# Altium PCB Radxa_E25_V1.4_20220119.PcbDoc (part 1 of 5) (continued)
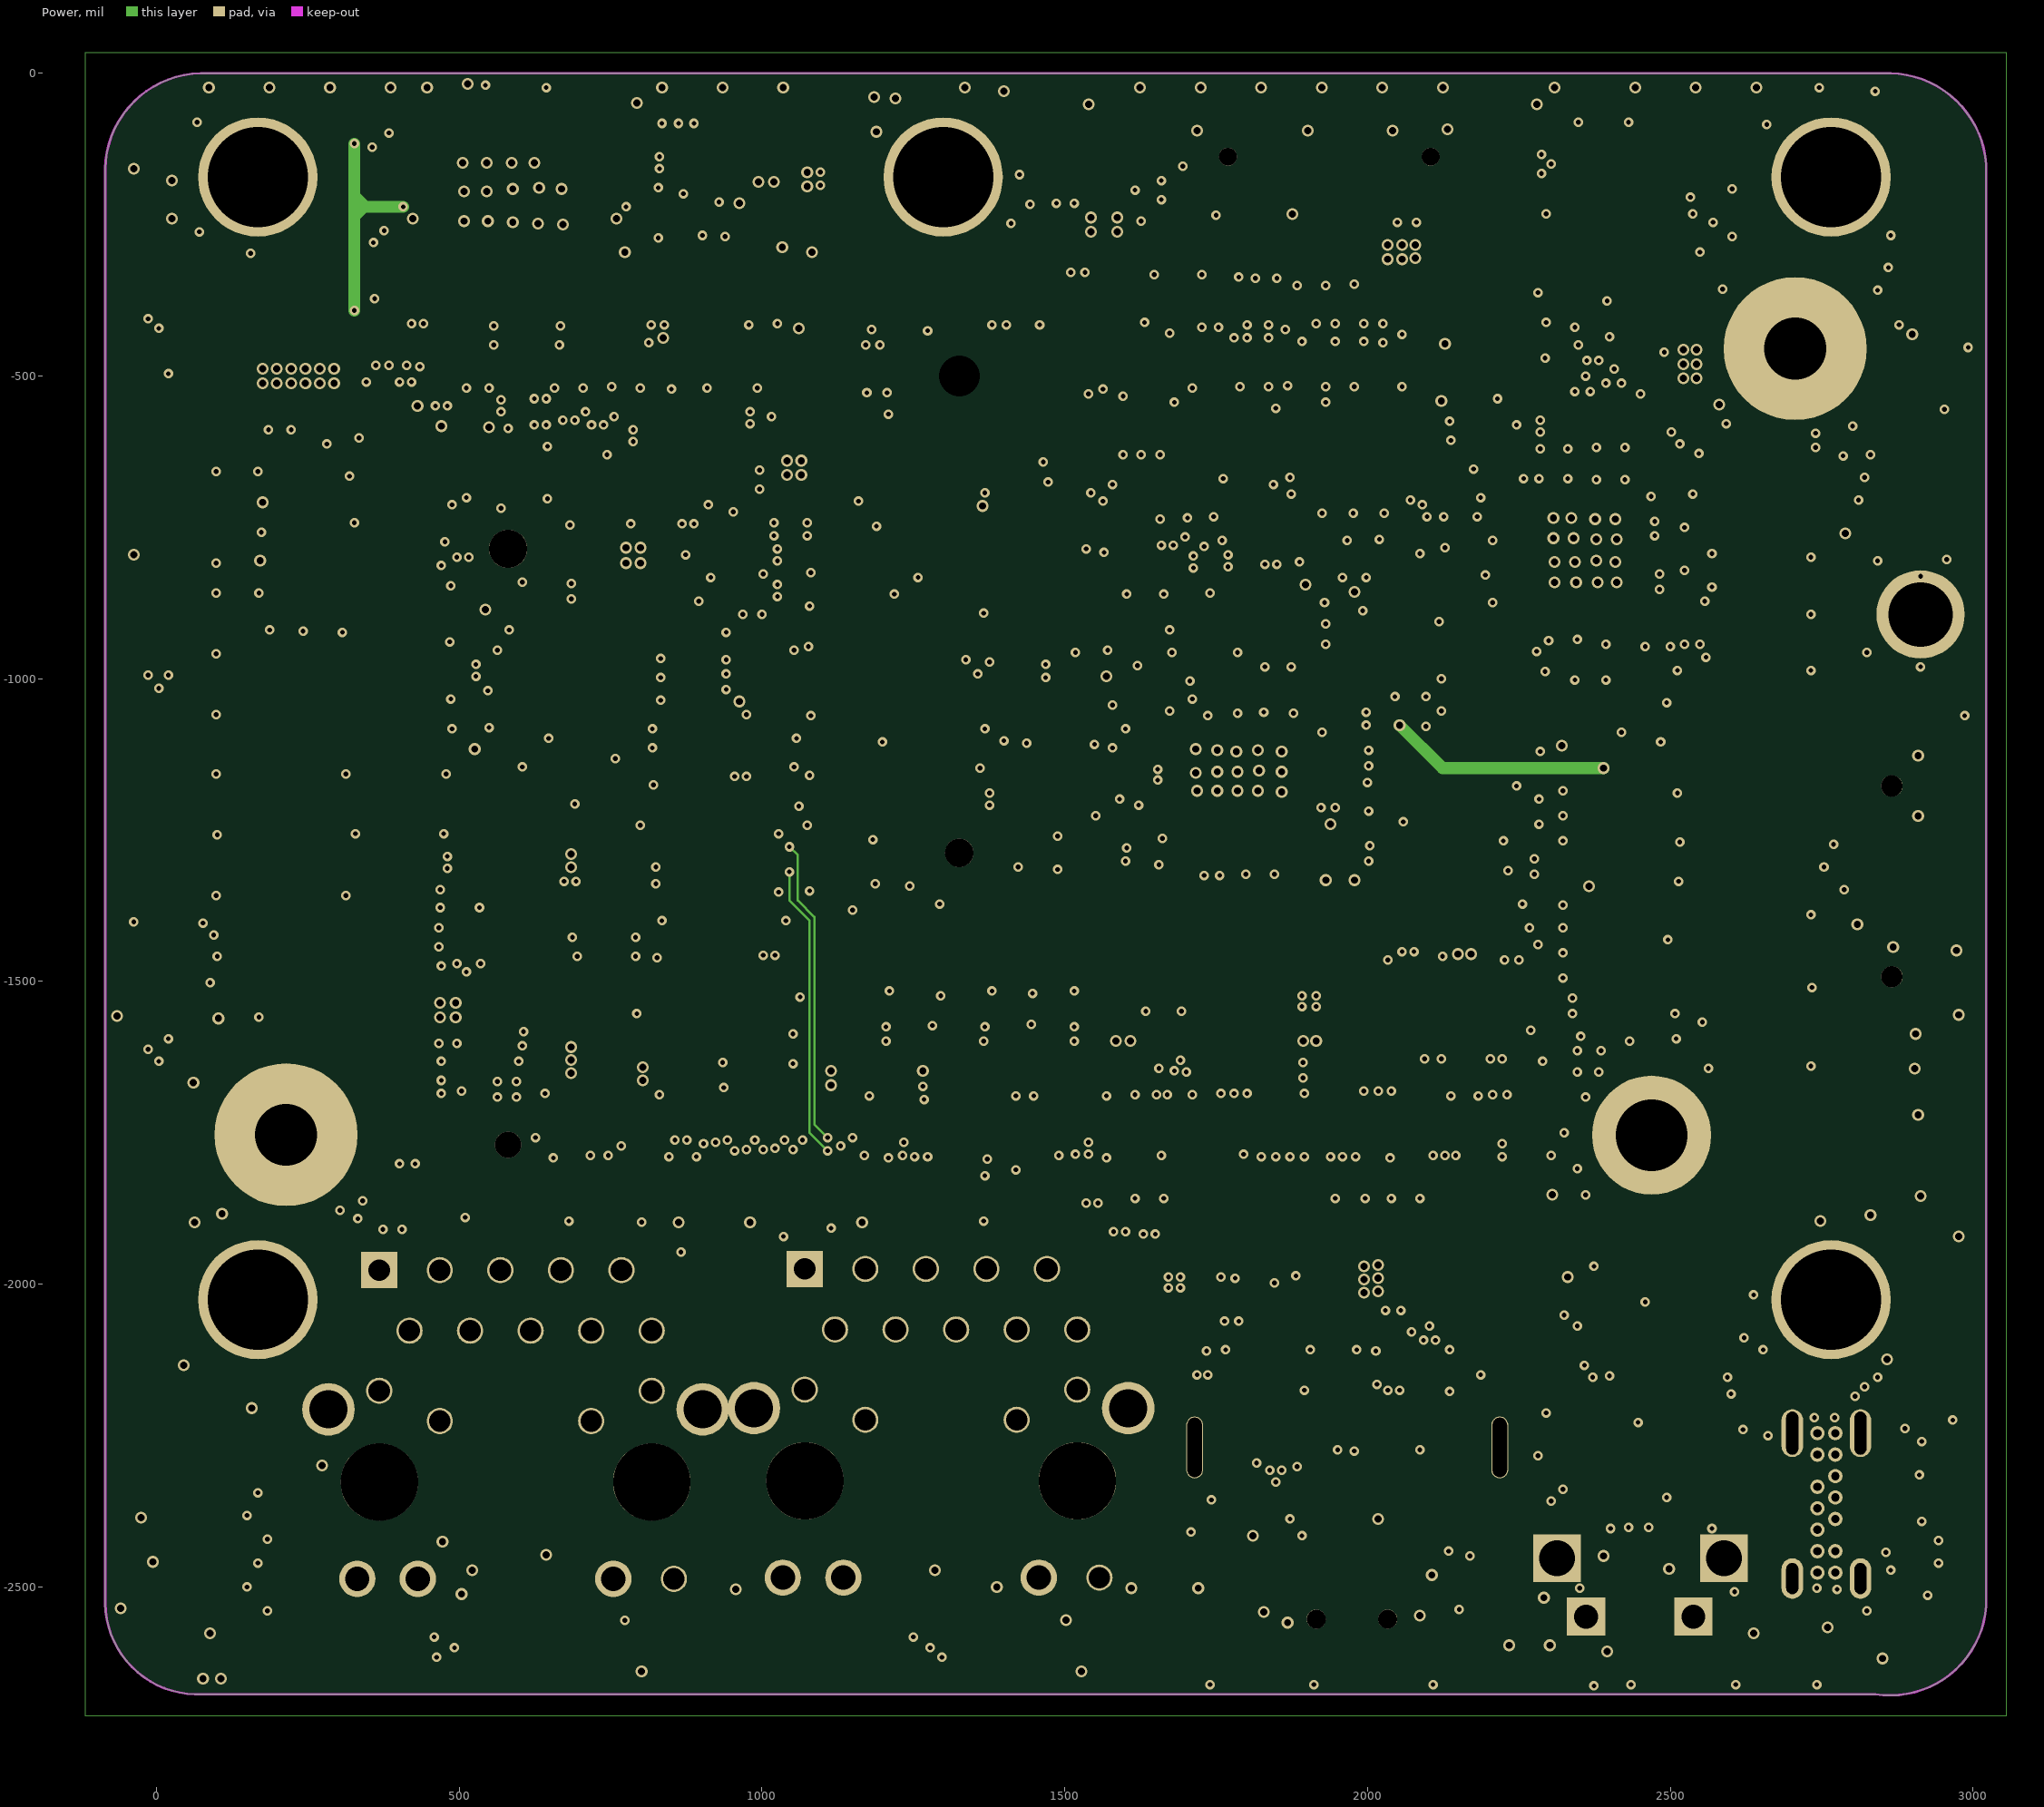
[diagram p4: Power]
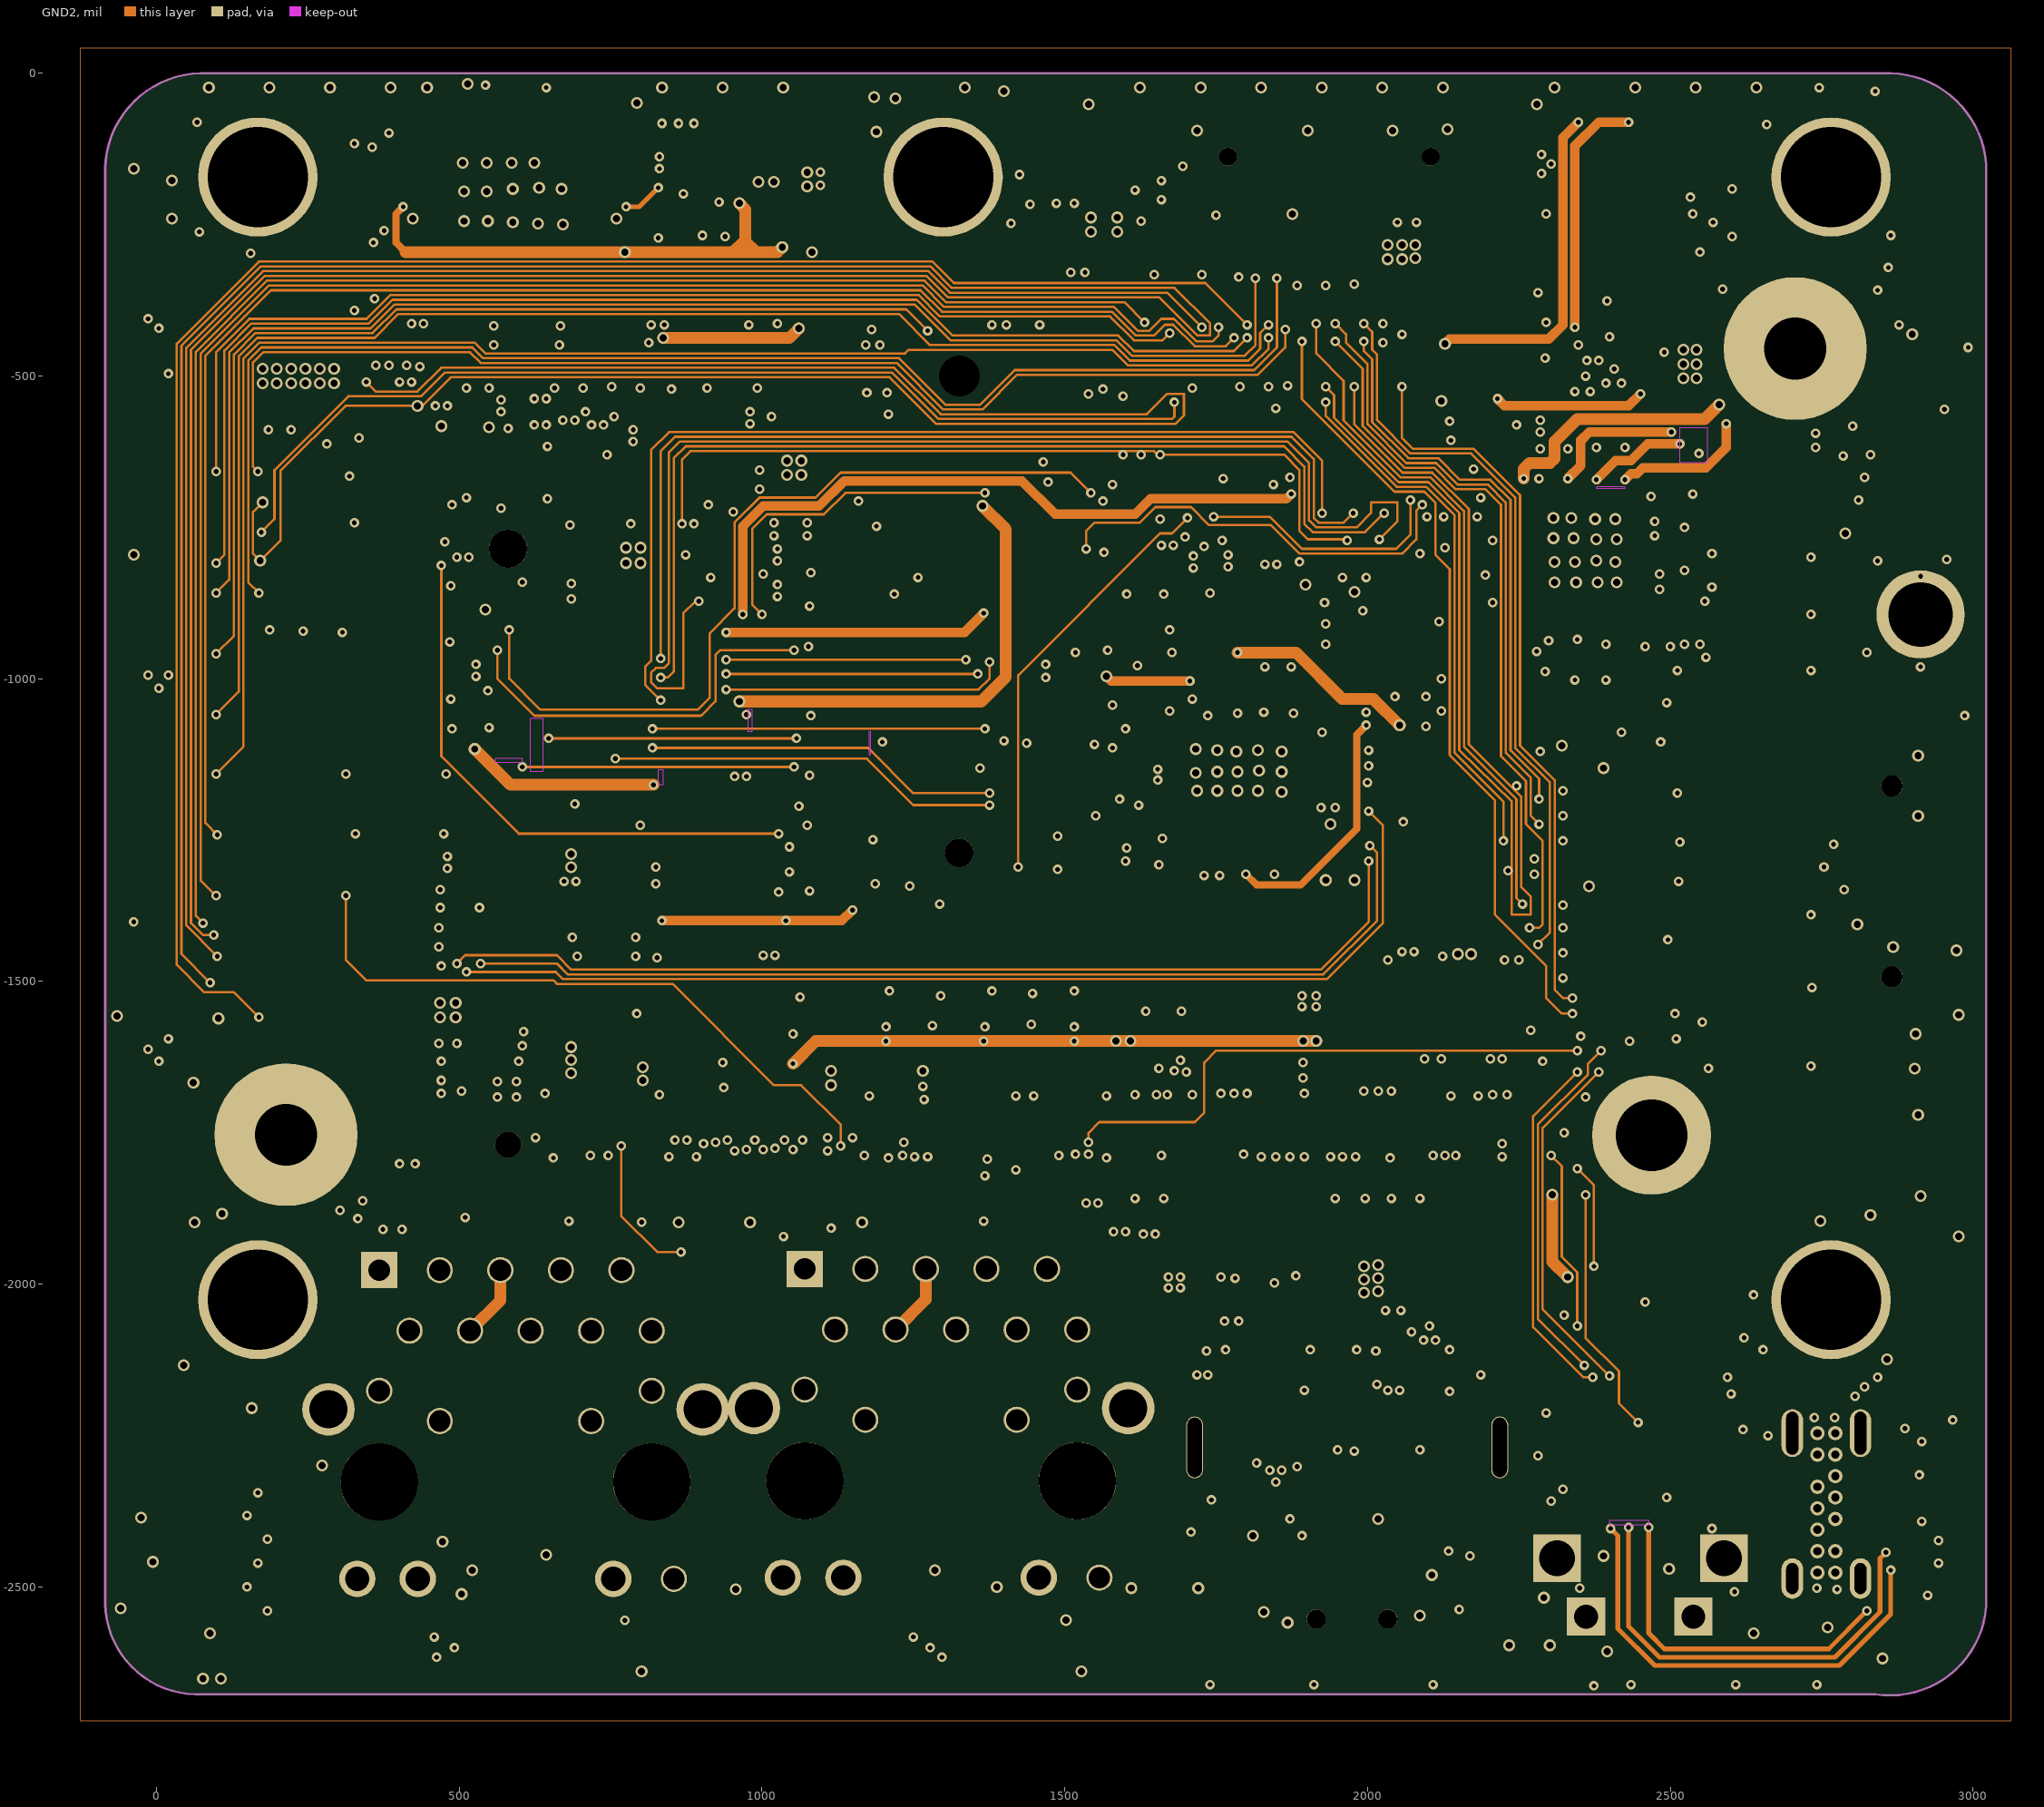
[diagram p5: GND2]

## Layer stack, top to bottom
Solder Mask Top: solder mask 0.4, Solder Resist, Dk 3.5
Top: signal copper 1.35
Dielectric 1: dielectric 10, FR-4, Dk 4.3
GND1: plane copper 1.35
Dielectric2: dielectric 10, FR-4, Dk 4.3
S1: signal copper 1.35
Dielectric3: dielectric 10, FR-4, Dk 4.3
Power: signal copper 1.35
Dielectric4: dielectric 10, FR-4, Dk 4.3
GND2: signal copper 1.35
Dielectric5: dielectric 10, FR-4, Dk 4.3
Bottom: signal copper 1.35
Solder Mask Bottom: solder mask 0.4, Solder Resist, Dk 3.5

## Board outline
-84.65,-157.48 -84.65,-157.49 cw(c76.22,-160.86) 72.83,0 2864.17,0 2864.16,0 cw(c2860.21,-161.8) 3021.65,-150.39 3021.65,-2531.5 3021.64,-2531.63 cw(c2863.47,-2520.57) 2838.58,-2677.17 76.77,-2677.17 76.69,-2677.17 cw(c67.91,-2524.84) -84.65,-2527.56

## Design rules (kind name [scope] priority, off if disabled: settings)
Clearance "Clearance - Default - DEFAULT - Via" [IsVia vs IsVia] p1: gap=0 ignorepadtopadclearanceinfootprint=FALSE
Clearance "Clearance - Default - DEFAULT- SMD" [IsVia vs IsSMTPin] p2: gap=0 ignorepadtopadclearanceinfootprint=FALSE
Clearance "Clearance - Default - DEFAULT - Net" [All] p3: gap=3.94 ignorepadtopadclearanceinfootprint=FALSE except(0: Arc-Hole Track-Hole SMDPad-Hole THPad-Hole Via-Hole Fill-Hole Poly-Hole Region-Hole Text-Hole; 5.91: Arc-Fill Arc-Poly Arc-Region Track-Fill Track-Poly Track-Region SMDPad-Fill SMDPad-Poly SMDPad-Region THPad-Fill THPad-Poly THPad-Region Via-Fill Via-Poly Via-Region Fill-Fill Fill-Poly Fill-Region Poly-Poly Poly-Region Region-Region; 10: Text-Text)
ComponentClearance "ComponentClearance - Default - DEFAULT" [All] p1: gap=0 collisioncheckmode=3 verticalgap=10 showdistances=FALSE
DiffPairsRouting "DiffPairsRouting - DiffPair - TYPEC1_TX1" [InDifferentialPairClass('DiffPairClassFor_DP_GAP_39370_Width_59055')] p1: maxlimit=3.94 minlimit=3.94 mostfreqgap=3.94 toplayer_minwidth=5.91 toplayer_maxwidth=5.91 toplayer_prefwidth=5.91 midlayer1_minwidth=5.91 midlayer1_maxwidth=5.91 midlayer1_prefwidth=5.91 midlayer2_minwidth=5.91 midlayer2_maxwidth=5.91 midlayer2_prefwidth=5.91 midlayer3_minwidth=5.91 midlayer3_maxwidth=5.91 midlayer3_prefwidth=5.91 bottomlayer_minwidth=5.91 bottomlayer_maxwidth=5.91 bottomlayer_prefwidth=5.91 maxuncoupledlength=500
DiffPairsRouting "DiffPairsRouting - DiffPair - Default" [All] p2: maxlimit=3.94 minlimit=3.94 mostfreqgap=3.94 toplayer_minwidth=3.94 toplayer_maxwidth=3.94 toplayer_prefwidth=3.94 midlayer1_minwidth=3.94 midlayer1_maxwidth=3.94 midlayer1_prefwidth=3.94 midlayer2_minwidth=3.94 midlayer2_maxwidth=3.94 midlayer2_prefwidth=3.94 midlayer3_minwidth=3.94 midlayer3_maxwidth=3.94 midlayer3_prefwidth=3.94 bottomlayer_minwidth=3.94 bottomlayer_maxwidth=3.94 bottomlayer_prefwidth=3.94 maxuncoupledlength=500
FanoutControl Fanout_SOIC [IsSOIC] p1: bgadir=Out bgaviamode=Centered fanoutstyle=Auto fanoutdirection=Alternating viagrid=1 // Fanout_SOIC (Default Rule)
FanoutControl Fanout_Small [(CompPinCount < 5)] p2: bgadir=Out bgaviamode=Centered fanoutstyle=Auto fanoutdirection=OutThenIn viagrid=1 // Fanout_Small (Default Rule)
FanoutControl Fanout_LCC [IsLCC] p3: bgadir=Out bgaviamode=Centered fanoutstyle=Auto fanoutdirection=Alternating viagrid=1 // Fanout_LCC (Default Rule)
FanoutControl Fanout_BGA [IsBGA] p4: bgadir=Out bgaviamode=Centered fanoutstyle=Auto fanoutdirection=Alternating viagrid=1 // Fanout_BGA (Default Rule)
HoleToHoleClearance "HoleToHoleClearance - Default - DEFAULT" [All] p1: gap=0 allowstackedmicrovias=TRUE
Length "Default Length" [All] p1: maxlimit=50000 minlimit=0
MaxMinImpedance "Default Impedance" [All] p1: minimum=50.00 maximum=150.0
ParallelSegment "Default Parallel Segment Adjasent" [All] p1: limit=1000 gap=200
ParallelSegment "Default Parallel Segment Same Layer" [All] p2: limit=1000 gap=200
PlaneConnect "Default PlaneConnect" [All] p1: planeconnectstyle=Relief reliefexpansion=20 reliefentries=0 reliefconductorwidth=15 reliefairgap=10
PolygonConnect "PolygonConnect - Default SMT" [IsSMTPin] p1: connectstyle=Direct reliefconductorwidth=10 reliefentries=4 polygonreliefangle="45 Angle" airgapwidth=10
PolygonConnect "PolygonConnect - Default Pad" [All] p2: connectstyle=Relief reliefconductorwidth=15 reliefentries=4 polygonreliefangle="45 Angle" airgapwidth=10
RoutingLayers "RoutingLayers - Default - DEFAULT" [All] p1: top layer_v5=TRUE mid layer 1_v5=TRUE mid layer 2_v5=TRUE mid layer 3_v5=TRUE bottom layer_v5=TRUE
RoutingPriority "RoutingPriority - Default - DEFAULT" [All] p1: routingpriority=3
RoutingTopology "Default Routing Topology" [All] p1: topology=Shortest
RoutingVias "RoutingVias - Default - DEFAULT" [All] p1: holewidth=7.87 width=15.75 viastyle="Through Hole" minholewidth=7.87 minwidth=15.75 maxholewidth=7.87 maxwidth=15.75
SMDToCorner "SMDToCorner - Default - DEFAULT" [All] p1: distance=0
SolderMaskExpansion [All] p1: expansion=4
Width "Width - Net - LED_B" [InNet('LED_B') OR InNet('N16907382') OR InNet('LED_R') OR InNet('N16907020') OR InNet('LED_G') OR InNet('N16908369') OR InNet('N16908366') OR InNet('N16906953') OR InNet('CKXTAL1') OR InNet('CKXTAL2') OR InNet('N16908329') OR InNet('N16907430') OR InNet('N16907327') OR InNet('N16907360') OR InNet('N16907363') OR InNet('N16908031') OR InNet('N16907005') OR InNet('N16906972') OR InNet('N16762539') OR InNet('N16762537') OR InNet('N16907087') OR InNet('N16907084') OR InNet('N16907039') OR InNet('N16908161') OR InNet('N16908287') OR InNet('N16908262') OR InNet('N16907415') OR InNet('N16908118') OR InNet('N16908164') OR InNet('N16908086') OR InNet('N16908034') OR InNet('N16908002') OR InNet('N16908302') OR InNet('N16908097') OR InNet('N16908051')] p1: maxlimit=196.85 minlimit=3.15 preferedwidth=7.87
Width "Width - Net - VCC3V3_SD" [InNet('VCC3V3_SD') OR InNet('VCC') OR InNet('+1V8') OR InNet('VCC3V3_MINIPCIE') OR InNet('VDD09/VDD10') OR InNet('LED-VCC')] p2: maxlimit=196.85 minlimit=3.15 preferedwidth=19.68
Width "Width - Net - SIM1_PWR" [InNet('SIM1_PWR') OR InNet('VDD09/VDD10_PCIE3')] p3: maxlimit=196.85 minlimit=3.15 preferedwidth=15.75
Width "Width - Net - AVDD09_10_PCIE3" [InNet('AVDD09_10_PCIE3')] p4: maxlimit=196.85 minlimit=3.94 preferedwidth=11.81
Width "Width - Net - N16934641" [InNet('N16934641')] p5: maxlimit=196.85 minlimit=3.15 preferedwidth=11.81
Width "Width - Net - CKXTAL2_16741634" [InNet('CKXTAL2_16741634') OR InNet('N25997270') OR InNet('N25997268') OR InNet('CKXTAL1_16743514')] p6: maxlimit=196.85 minlimit=3.94 preferedwidth=6
Width "Default Width" [All] p7: maxlimit=196.85 minlimit=3.94 preferedwidth=3.94
18 further rules are at their usual default settings.

## Classes and differential pairs
net class RoutingClass_55(RuleSet): LED_B LED_G LED_R N16906953 N16906972 N16907005 N16907020 N16907039 N16907084 N16907087 N16907327 N16907360 N16907363 N16907382 N16907415 N16907430 N16908002 N16908031 N16908034 N16908051 N16908086 N16908097 N16908118 N16908161 N16908164 N16908262 N16908287 N16908302 N16908329 N16908366 N16908369 N16934641 VCC3V3_SD
net class RoutingClass_54(RuleSet): AVDD09_10_PCIE3 CKXTAL1 CKXTAL2 N16762537 N16762539 SIM1_PWR VDD09/VDD10_PCIE3
net class RoutingClass_53(RuleSet): +1V8 VCC3V3_MINIPCIE VDD09/VDD10
net class RoutingClass_58(RuleSet): CKXTAL1_16743514 CKXTAL2_16741634 N25997268 N25997270
differential pair class DiffPairClassFor_DP_GAP_39370_Width_59055: TYPEC1_TX1 USB2_HOST2_D USB2_HOST3_D USB3_HOST1_SSRX USB3_HOST1_SSTX USB3_OTG0_SSRX USB3_OTG0_SSTX USB_OTG0_D
differential pair HSO_1: +HSOP -HSON
differential pair HSO: +HSOP_16742668 -HSON_16743242
differential pair USB3_HOST1_SSRX: +USB3_HOST1_SSRXP -USB3_HOST1_SSRXN
differential pair N167623: +N16762375 -N16762369
differential pair PCIE30X2_REFCLK: +PCIE30X2_REFCLKP_CON -PCIE30X2_REFCLKN_CON
differential pair N1683612: +N16836129 -N16836123
differential pair N1681644: +N16816442 -N16816444
differential pair USB2_HOST3_D: +USB2_HOST3_DM -USB2_HOST3_DP
differential pair USB_OTG0_D: +USB_OTG0_DM -USB_OTG0_DP
differential pair PCIE30_TX0: +PCIE30_TX0P -PCIE30_TX0N
differential pair PCIE30X1_REFCLK: +PCIE30X1_REFCLKP_CON -PCIE30X1_REFCLKN_CON
differential pair USB3_OTG0_SSTX: +USB3_OTG0_SSTXN -USB3_OTG0_SSTXP
differential pair USB2_HOST2_D: +USB2_HOST2_DP -USB2_HOST2_DM
differential pair USB3_HOST1_SSTX: +USB3_HOST1_SSTXP -USB3_HOST1_SSTXN
differential pair USB3_OTG0_SSRX: +USB3_OTG0_SSRXP -USB3_OTG0_SSRXN
differential pair PCIE30_REFCLK: +PCIE30_REFCLKP_IN -PCIE30_REFCLKN_IN
differential pair MDI2_1: +MDI2+ -MDI2-
differential pair MDI2: +MDI2-_16743390 -MDI2+_16743390
differential pair MDI3_1: +MDI3+ -MDI3-
differential pair MDI1: +MDI1-_16743330 -MDI1+_16743330
differential pair MDI0_1: +MDI0- -MDI0+
differential pair MDI0: +MDI0+_16743330 -MDI0-_16743330
differential pair MDI1_1: +MDI1- -MDI1+
differential pair TYPEC1_TX1: +TYPEC1_TX1PJ -TYPEC1_TX1NJ
differential pair PCIE20_RX: +PCIE20_RXN -PCIE20_RXP
differential pair PCIE30_RX1: +PCIE30_RX1P -PCIE30_RX1N
differential pair PCIE30_TX1: +PCIE30_TX1N -PCIE30_TX1P
differential pair PCIE20_TX: +PCIE20_TXP -PCIE20_TXN
differential pair PCIE30_RX0: +PCIE30_RX0P -PCIE30_RX0N
differential pair MDI3: +MDI3-_16743390 -MDI3+_16743390
differential pair PCIE20_REFCLK: +PCIE20_REFCLKN -PCIE20_REFCLKP

## Components (designator, comment, footprint, x,y, rotation, side; value= is the part's Value field where it differs from the comment)
C1 "C0402" C0402 2525.59,-866.14 r0 top
C2 "C0402" C0402 2246.06,-614.17 r90 top
C3 "C0402" C0402 1942.91,-856.3 r180 top
C4 "C0603" C0603 2082.68,-1812.99 r180 top
C5 "C0201" C0201 2297.24,-1706.69 r180 top
C6 "C0603" C0603 2283.46,-1572.83 r270 top
C7 "C0201" C0201 2234.25,-1486.22 r90 top
C8 "C0201" C0201 2513.78,-738.19 r0 top
C9 "C0201" C0201 2342.52,-978.35 r270 top
C9$2F$X "R0201" R0201 805.12,-157.48 r180 top
C10 "C0201" C0201 2513.78,-763.78 r0 top
C11 "C0201" C0201 2305.12,-978.35 r270 top
C12 "C0201" C0201 2393.7,-978.35 r270 top
C13 "C0201" C0201 2153.54,-992.13 r180 top
C14 "C0201" C0201 2297.24,-1651.57 r0 top
C15 "C0201" C0201 2293.31,-1147.64 r180 top
C16 "C0201" C0201 2279.53,-978.35 r270 top
C17 "C0201" C0201 2425.2,-641.73 r90 top
C18 "C0201" C0201 2582.68,-614.17 r180 top
C19 "C0201" C0201 2537.4,-614.17 r0 top
C20 "C0201" C0201 2368.11,-551.18 r270 top
C21 "C0201" C0201 2342.52,-551.18 r270 top
C22 "C0201" C0201 2283.46,-643.7 r90 top
C23 "C0201" C0201 2513.78,-834.65 r0 top
C24 "C0201" C0201 2330.71,-643.7 r90 top
C25 "C0201" C0201 2086.61,-742.13 r90 top
C26 "C0201" C0201 2137.8,-742.13 r90 top
C27 "C0201" C0201 2112.2,-742.13 r90 top
C28 "C0201" C0201 2163.39,-742.13 r90 top
C29 "C0201" C0201 2153.54,-913.39 r180 top
C30 "C0201" C0201 2015.75,-887.8 r180 top
C31 "R0402" R0402 2013.78,-818.9 r180 top
C32 "C0201" C0201 2513.78,-694.88 r0 top
C33 "C0201" C0201 2118.11,-976.38 r90 top
C34 "C0201" C0201 2393.7,-551.18 r270 top
C35 "C0201" C0201 2419.29,-551.18 r270 top
C36 "C0201" C0201 2118.11,-929.13 r270 top
C37 "C0402" C0402 1328.74,-1881.89 r180 top
C38 "C0402" C0402 1734.25,-1019.68 r270 bottom
C39 "C0201" C0201 2110.24,-1753.94 r180 top
C40 "C0402" C0402 1694.88,-1214.57 r0 bottom
C41 "C0402" C0402 1879.92,-1246.06 r180 bottom
C42 "C0603" C0603 1897.64,-1812.99 r180 top
C43 "C0603" C0603 2106.3,-1570.87 r270 top
C44 "C0201" C0201 2124.02,-1492.13 r90 top
C45 "C0201" C0201 1799.21,-1295.28 r90 bottom
C46 "C0201" C0201 1974.41,-1120.08 r0 top
C47 "C0201" C0201 1974.41,-1094.49 r0 top
C48 "C0201" C0201 1753.94,-1297.24 r90 bottom
C49 "C0201" C0201 1846.46,-1295.28 r90 bottom
C50 "C0201" C0201 1696.85,-1261.81 r0 bottom
C51 "C0201" C0201 2110.24,-1647.64 r0 top
C52 "C0201" C0201 1700.79,-1297.24 r90 bottom
C53 "C0201" C0201 1728.35,-1297.24 r90 bottom
C54 "C0201" C0201 1866.14,-1088.58 r270 bottom
C55 "C0201" C0201 1891.73,-1088.58 r270 bottom
C56 "C0201" C0201 1840.55,-1088.58 r270 bottom
C57 "C0201" C0201 1818.9,-915.35 r270 top
C58 "C0201" C0201 1793.31,-915.35 r270 top
C59 "C0201" C0201 1736.22,-1088.58 r270 bottom
C60 "C0201" C0201 1891.73,-1214.57 r180 bottom
C61 "C0201" C0201 1785.43,-1088.58 r270 bottom
C62 "C0201" C0201 1683.07,-1155.51 r0 bottom
C63 "C0201" C0201 1683.07,-1183.07 r0 bottom
C64 "C0201" C0201 1683.07,-1129.92 r0 bottom
C65 "C0201" C0201 1683.07,-1104.33 r0 bottom
C66 "C0201" C0201 1590.55,-1177.17 r270 top
C67 "C0201" C0201 1486.22,-982.28 r180 top
C68 "R0402" R0402 1484.25,-1015.75 r180 top
C69 "C0201" C0201 1976.38,-1057.09 r0 top
C70 "C0201" C0201 1590.08,-1267.25 r90 top
C71 "C0201" C0201 1844.49,-915.35 r270 top
C72 "C0201" C0201 1870.08,-915.35 r270 top
C73 "C0201" C0201 1590.08,-1221.97 r270 top
C74 "C0402" C0402 539.37,-2511.81 r0 bottom
C82 "C0603" C0603 1787.4,-2090.55 r180 top
C83 "C0603" C0603 1775.59,-1812.99 r0 top
C84 "C0201" C0201 1867.38,-1735.49 r180 top
C85 "C0603" C0603 1864.17,-1568.9 r90 top
C86 "C0201" C0201 1868.11,-1633.86 r0 top
C87 "C0201" C0201 1867.38,-1658.72 r0 top
C88 "C0201" C0201 1049.21,-805.12 r0 top
C89 "C0201" C0201 1049.21,-785.43 r0 top
C90 "C0201" C0201 1049.21,-844.49 r0 top
C91 "C0201" C0201 1049.21,-864.17 r0 top
C96 "C0201" C0201 643.7,-559.06 r270 top
C97 "C0201" C0201 624.02,-559.06 r270 top
C98 "C0603" C0603 854.33,-1655.51 r0 top
C99 "R0201" R0201 814.96,-1324.8 r0 top
C100 "C0603" C0603 311.02,-1712.6 r270 top
C101 "R0201" R0201 846.46,-706.69 r0 top
C102 "C0603" C0603 850.39,-877.95 r0 top
C103 "R0201" R0201 814.96,-1299.21 r0 top
C104 "C0603" C0603 850.39,-824.8 r0 top
C105 "R0201" R0201 814.96,-1350.39 r0 top
C106 "C0603" C0603 1045.28,-718.5 r270 top
C107 "C0201" C0201 986.22,-750 r0 top
C108 "C0603" C0603 852.36,-771.65 r0 top
C109 "C0201" C0201 846.46,-732.28 r0 top
C110 "C0201" C0201 986.22,-698.82 r0 top
C118 "C0402" C0402 1023.62,-82.68 r180 top
C119 "C0402" C0402 1017.72,-358.27 r0 top
C120 "R0201" R0201 929.13,-242.13 r90 top
C121 "R0201" R0201 976.38,-86.61 r90 top
C122 "C0603" C0603 2338.58,-1314.96 r180 top
C123 "R0201" R0201 2307.09,-1366.14 r270 top
C124 "C0603" C0603 1450.79,-159.45 r270 top
C125 "C0402" C0402 1450.79,-72.83 r90 top
C128 "C0603" C0603 2570.87,-440.94 r90 top
C129 "C0402" C0402 2533.46,-312.99 r0 top
C130 "R0201" R0201 2525.59,-187.01 r0 top
C131 "R0201" R0201 1267.72,-1759.84 r270 top
C90252 "R0201" R0201 2029.53,-2068.9 r270 top
C90253 "R0201" R0201 2055.12,-2068.9 r270 top
C90254 "C0603" C0603 1787.4,-2143.7 r180 top
C90282 "C0603" C0603 1891.73,-750 r90 top
C90283 "C0603" C0603 1539.37,-604.33 r0 top
C90284 "R0201" R0201 803.15,-275.59 r180 top
C90285 "R0201" R0201 385.83,-246.06 r180 top
C90286 "R0201" R0201 879.92,-470.47 r180 top
C90287 "C0201" C0201 803.15,-301.18 r0 top
C90288 "C0201" C0201 385.83,-220.47 r180 top
C90289 "C0201" C0201 570.87,-437.01 r270 top
C90290 "C0201" C0201 649.61,-437.01 r270 top
C90291 "C0201" C0201 631.89,-41.34 r0 top
C90292 "C0201" C0201 553.15,-41.34 r180 top
C90293 "C0201" C0201 385.83,-297.24 r180 top
C90294 "C0201" C0201 385.83,-271.65 r180 top
C90295 "C0402" C0402 844.49,-234.25 r270 top
C90296 "C0603" C0603 383.86,-92.52 r270 top
C90297 "C0603" C0603 789.37,-448.82 r90 top
C90298 "C0603" C0603 334.65,-238.19 r270 top
C90299 "C0603" C0603 694.88,-452.76 r270 top
C90300 "C0603" C0603 1527.56,-187.01 r180 top
C90301 "C0201" C0201 1429.13,-293.31 r0 top
C90302 "C0603" C0603 1539.37,-549.21 r0 top
C90303 "C0201" C0201 1529.53,-509.84 r0 top
C90304 "C0201" C0201 1429.13,-415.35 r180 top
D1 "SOD523" SOD523 1757.87,-732.28 r180 top
D2 "SOD523" SOD523 1488.19,-751.97 r270 top
D3 "SOD523" SOD523 1515.75,-942.91 r0 top
D4 "SOD523" SOD523 1488.19,-860.24 r270 top
D4200 "ESD0402" ESD0402#1 2354.33,-1494.09 r180 top
D4201 "ESD0402" ESD0402#1 2354.33,-1452.76 r180 top
D4202 "ESD0402" ESD0402#1 2354.33,-1411.42 r180 top
D4203 "ESD0402" ESD0402#1 2354.33,-1370.08 r180 top
D4204 "ESD0402" ESD0402#1 2354.33,-1267.72 r180 top
D4205 "ESD0402" ESD0402#1 2354.33,-1226.38 r180 top
D4206 "ESD0402" ESD0402#1 2354.33,-1185.04 r180 top
ED5 "E0402N" E0402N 1972.44,-2387.8 r0 bottom
ED13 "E0402N" E0402N 2348.43,-2364.17 r180 top
ED7010 "ESD0402" ESD0402#1 1911.42,-2151.57 r180 top
ED7011 "ESD0402" ESD0402#2 1980.31,-2151.57 r0 top
ED8122 "E0402N" E0402N 1944.88,-751.97 r270 top
ED8123 "E0402N" E0402N 1838.58,-751.97 r270 top
ED8124 "E0402N" E0402N 2047.24,-751.97 r270 top
ED8125 "E0402N" E0402N 1996.06,-751.97 r270 top
FB1 "R0402" R0402 1001.97,-417.32 r270 top
FB2 "R0402" R0402 1017.72,-318.9 r180 top
FB3 "R0402" R0402 326.77,-80.71 r270 top
FB4 "R0402" R0402 326.77,-151.57 r90 top
FB5 "R0402" R0402 744.09,-440.94 r270 top
J1 "DF40C-100DS-0.4V_4P_BOARD" DF40C-100DS-0.4V_4P_BOARD 1255.91,-1824.8 r90 bottom
J2 "DF40C-100DS-0.4V_4P_BOARD" DF40C-100DS-0.4V_4P_BOARD 1255.91,-484.25 r90 bottom
J3 "RJ45_HRK1" RJ45_HRK1 1070.87,-2324.8 r0 top
J4 "RJ45_HRK1" RJ45_HRK1 368.11,-2326.77 r0 top
J5 "LD-020" LD-020 2033.46,-2553.15 r180 bottom
J8 "MINIPCIEA" MINIPCIEA 580.71,-785.43 r270 top
J90047 "TYPEC_14PIN_CHE" TYPEC_14PIN_CHE 2757.87,-2246.06 r180 top
J90049 "SMD26PIN-2.54MM" SMD26PIN-2.54MM 133.86,-358.27 r270 top
L1 "IND-2520" IND-2520 2200.79,-1568.9 r180 top
L2 "IND_252012" IND_252012 2112.2,-856.3 r180 top
L3 "IND-2520" IND-2520 2020.42,-1566.2 r180 top